# Altium PCB Discharge_B2.PcbDoc (part 1 of 2)
Units mm, origin at the board's own origin, x right, y up, seen from the top; angles counter-clockwise.
Board outline 144.02 x 78.36 mm, 4 copper layers (Top Layer, GND, PWR, Bottom Layer), stack 1.369 mm thick; 146 components, 95 nets, 476 pads, 394 vias.
Unrouted connection lines stored in the file: 8.
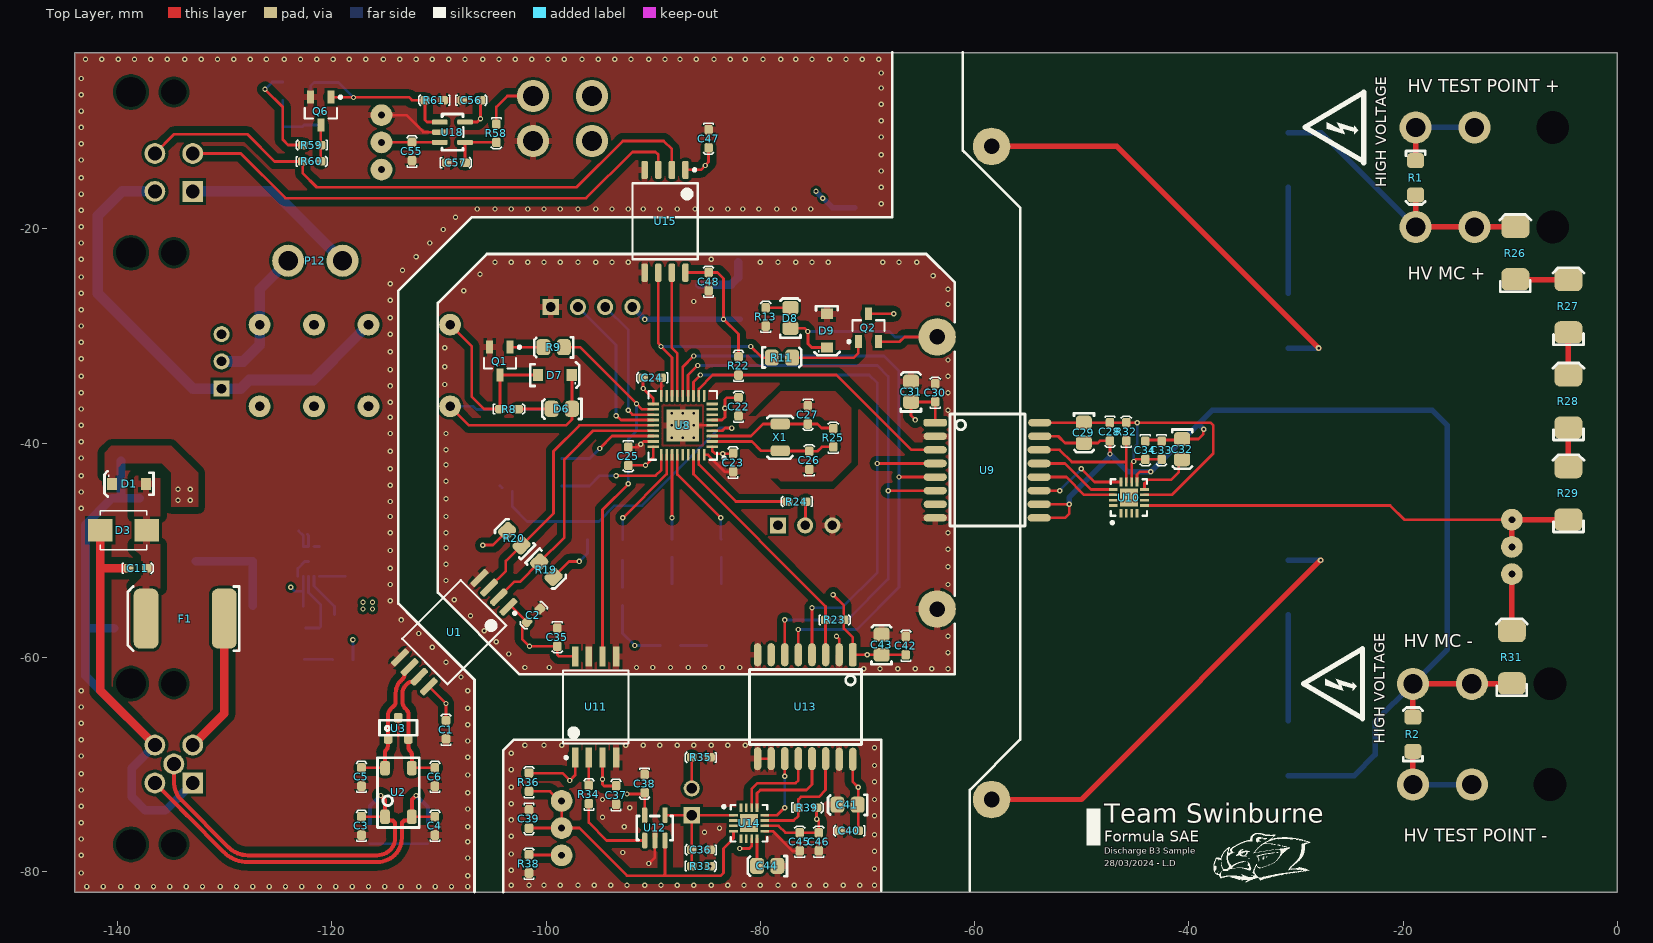
[diagram p0: Top Layer view]
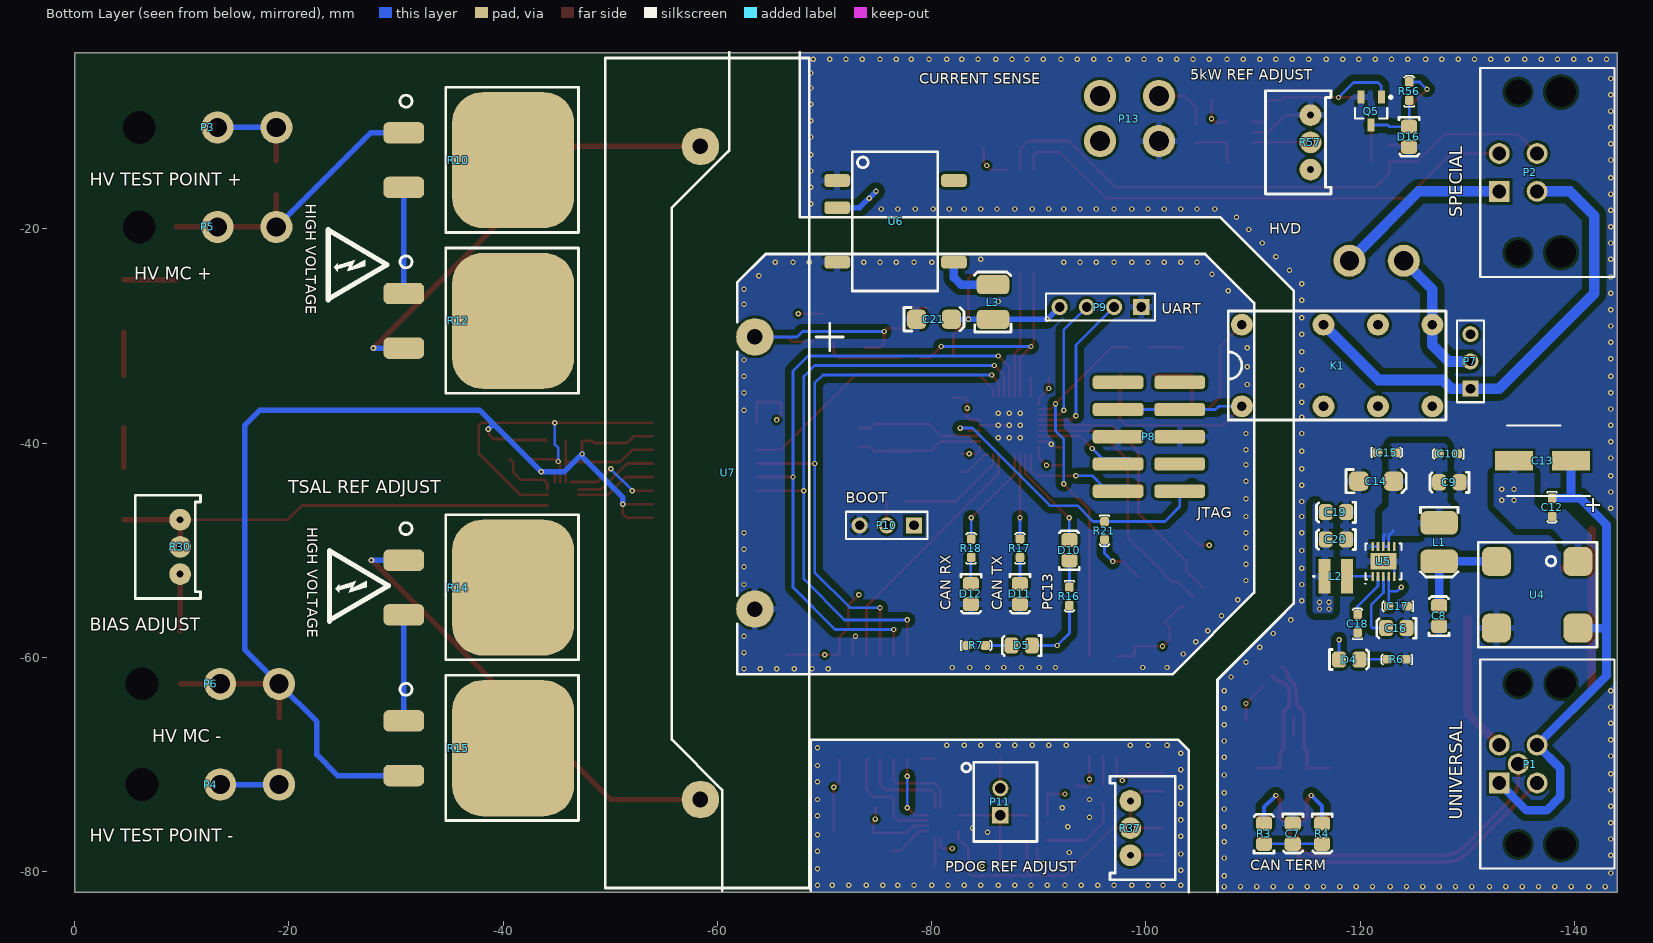
[diagram p1: Bottom Layer view, seen from below]
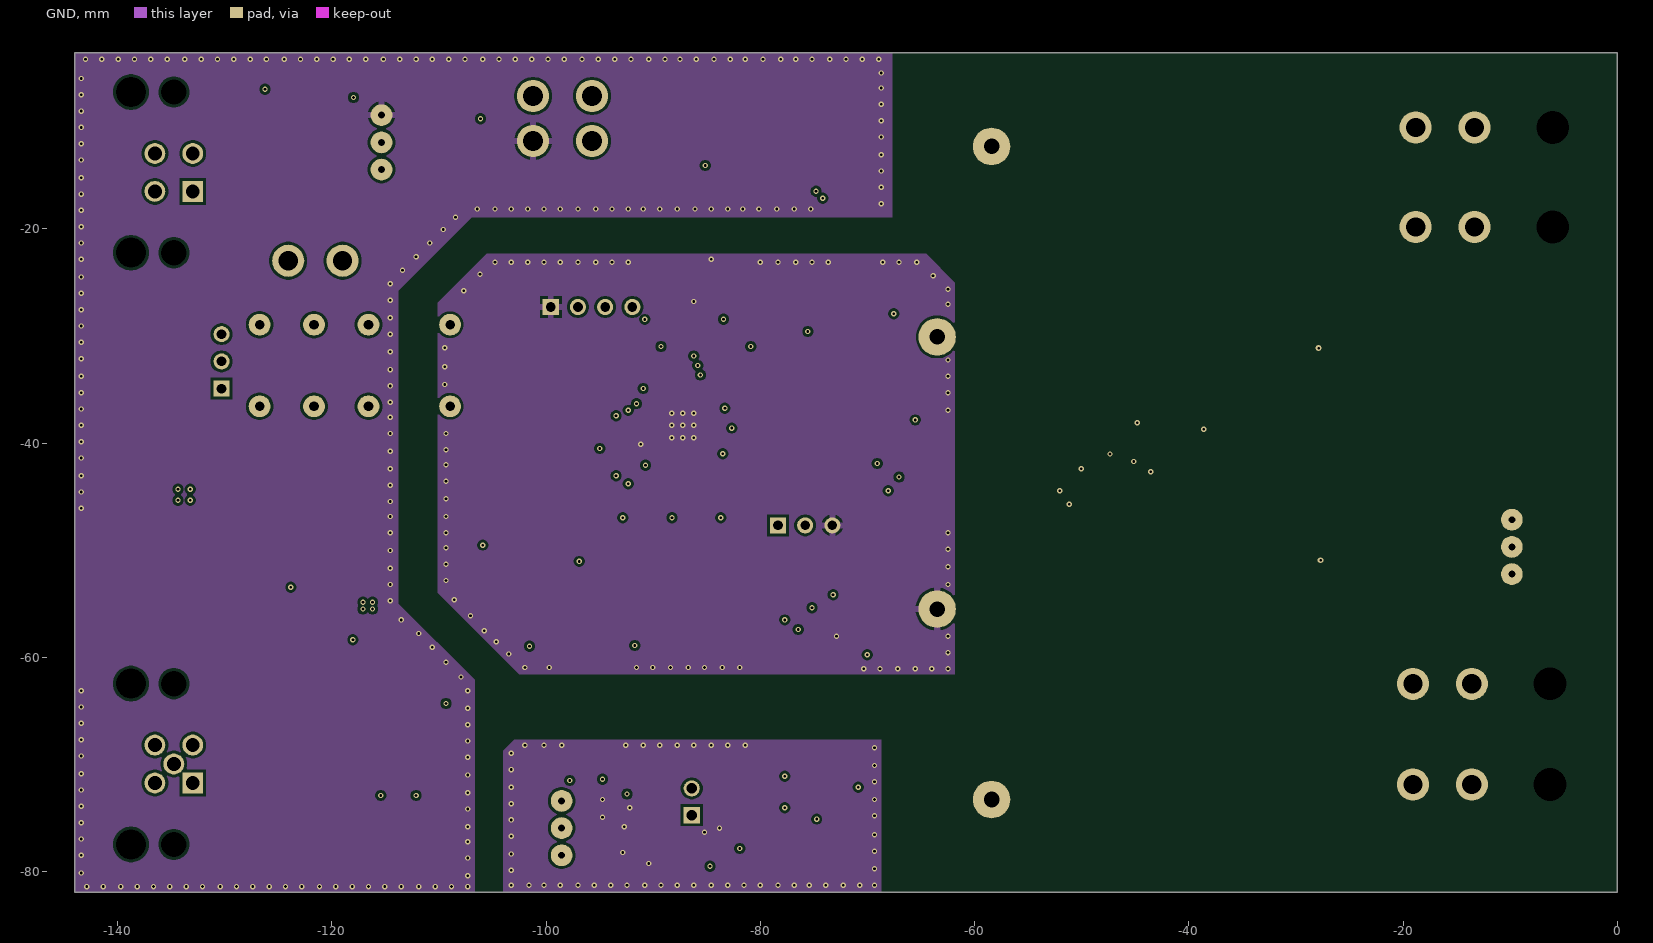
[diagram p2: GND]
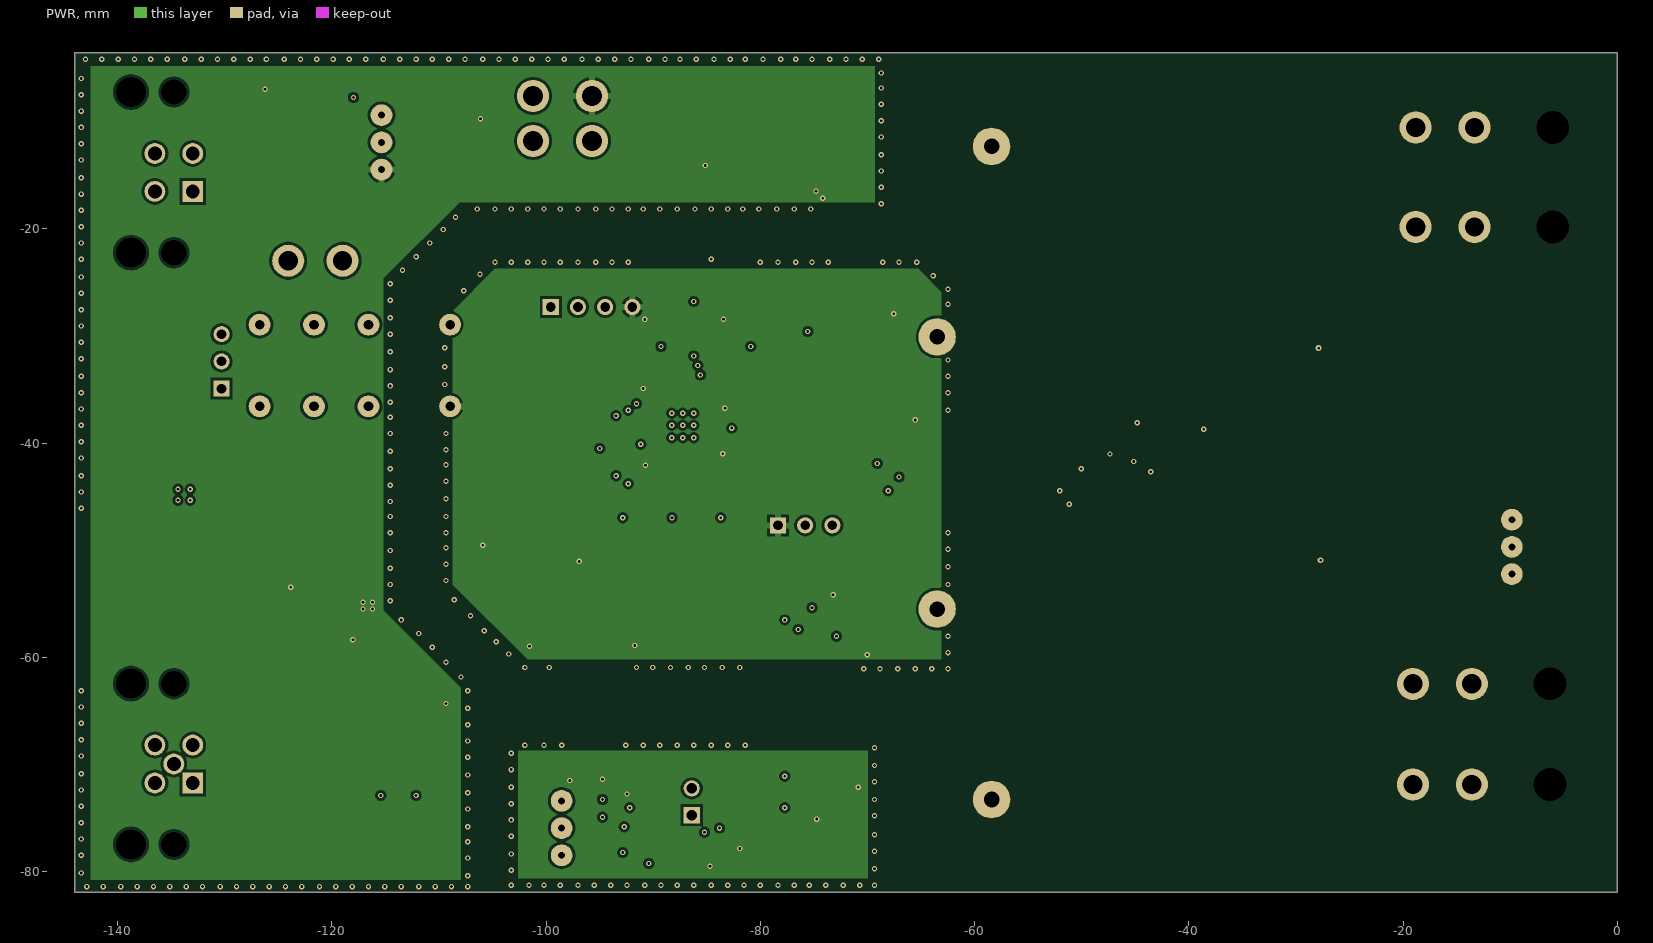
[diagram p3: PWR]
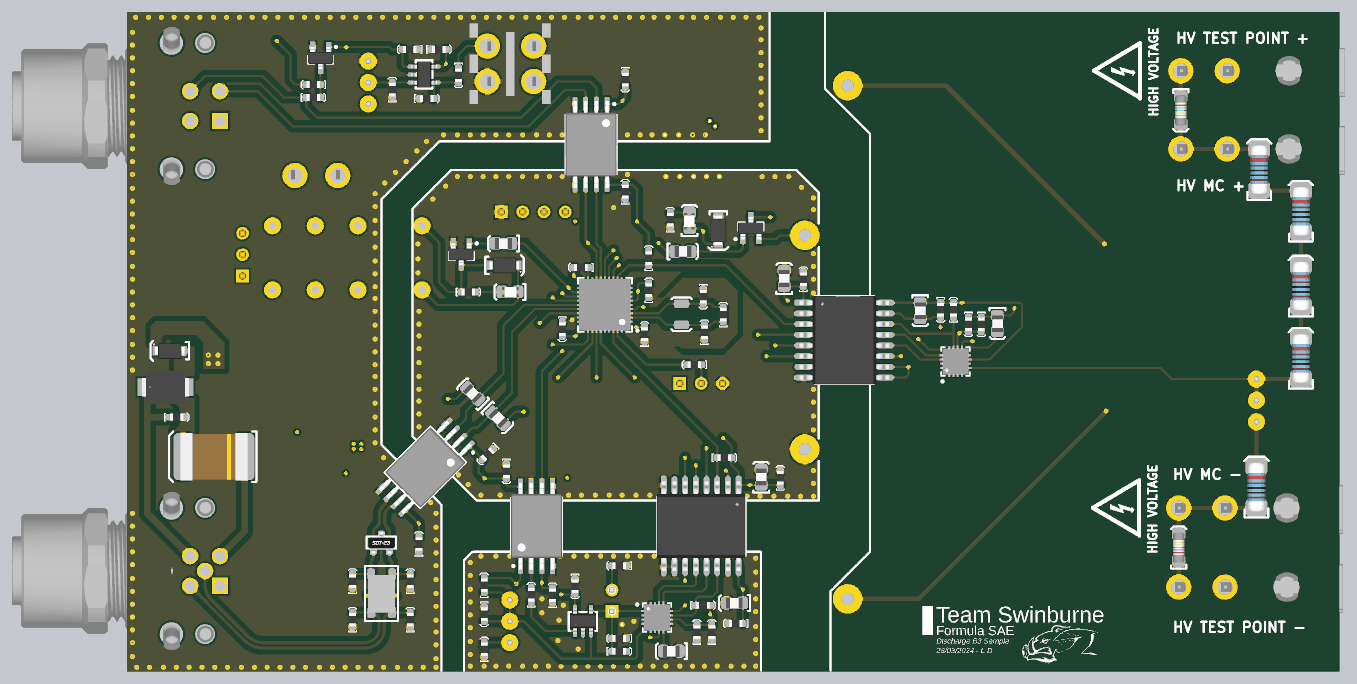
[diagram p5: 3D render of the assembled board from above, using the file's embedded part models]
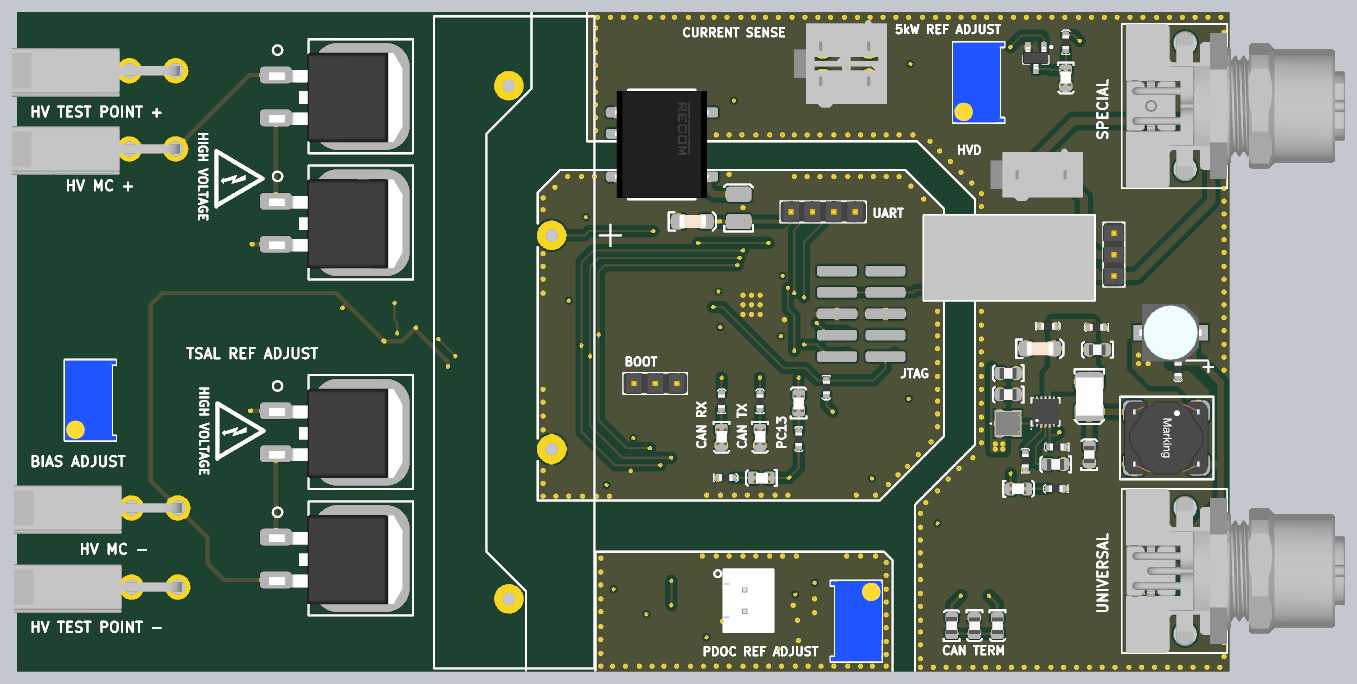
[diagram p6: 3D render of the assembled board from below, using the file's embedded part models]

## Layer stack, top to bottom
Top Solder: solder mask 0.0254, SM-001, Dk 4
Top Layer: signal copper 0.035
Dielectric 1: prepreg 0.1295, PP-017, Dk 4.3
Dielectric 2: prepreg 0.1295, PP-017, Dk 4.3
GND: signal copper 0.035
Dielectric 3: core 0.7112, Core-039, Dk 4.8
PWR: signal copper 0.035
Dielectric 4: prepreg 0.1295, PP-017, Dk 4.3
Dielectric 5: prepreg 0.1295, PP-017, Dk 4.3
Bottom Layer: signal copper 0.035
Bottom Solder: solder mask 0.0254, SM-001, Dk 4

## Board outline
-144.018,-81.915 -144.018,-3.556 -110.109,-3.556 0,-3.556 0,-5.461 0,-68.199 0,-81.915

## Design rules (kind name [scope] priority, off if disabled: settings)
Clearance [All] p1: gap=0.254 ignorepadtopadclearanceinfootprint=FALSE except(0: Arc-Hole Track-Hole SMDPad-Hole THPad-Hole Via-Hole Region-Hole Text-Hole; 0.1: THPad-THPad; 0.152: Arc-SMDPad Track-SMDPad SMDPad-SMDPad; 0.2: Arc-THPad Track-THPad SMDPad-THPad THPad-Via; 0.203: Arc-Arc Arc-Track Arc-Region Track-Track Track-Region SMDPad-Region THPad-Region Via-Region Fill-Region Poly-Region Region-Region; 0.6: Arc-Poly Track-Poly Fill-Poly Poly-Poly)
DiffPairsRouting [All] p1: maxlimit=0.254 minlimit=0.254 mostfreqgap=0.254 toplayer_minwidth=0.381 toplayer_maxwidth=0.381 toplayer_prefwidth=0.381 midlayer1_minwidth=0.381 midlayer1_maxwidth=0.381 midlayer1_prefwidth=0.381 midlayer2_minwidth=0.381 midlayer2_maxwidth=0.381 midlayer2_prefwidth=0.381 bottomlayer_minwidth=0.381 bottomlayer_maxwidth=0.381 bottomlayer_prefwidth=0.381 maxuncoupledlength=12.7
Height [All] p1: minheight=0 maxheight=50 prefheight=12.7
HoleSize [All] p1: absolutevalues=TRUE maxlimit=10 minlimit=0.025 maxpercent=80.000 minpercent=20.000
MinimumSolderMaskSliver [All] p1: minsoldermaskwidth=0
PlaneClearance [All] p1: clearance=0.4
PlaneConnect [All] p1: pad.planeconnectstyle=Relief pad.reliefexpansion=0.508 pad.reliefentries=4 pad.reliefconductorwidth=0.8 pad.reliefairgap=0.254 via.planeconnectstyle=Direct via.reliefexpansion=0.508 via.reliefentries=4 via.reliefconductorwidth=0.8 via.reliefairgap=0.254
PolygonConnect [All] p1: thpad.connectstyle=Relief thpad.reliefconductorwidth=0.6 thpad.reliefentries=4 thpad.polygonreliefangle="90 Angle" thpad.airgapwidth=0.254 smdpad.connectstyle=Relief smdpad.reliefconductorwidth=0.6 smdpad.reliefentries=4 smdpad.polygonreliefangle="90 Angle" smdpad.airgapwidth=0.254 via.connectstyle=Direct via.reliefconductorwidth=0.6 via.reliefentries=4 via.polygonreliefangle="90 Angle" via.airgapwidth=0.254
RoutingVias [All] p1: holewidth=0.25 width=0.5 viastyle="Through Hole" minholewidth=0.203 minwidth=0.254 maxholewidth=0.711 maxwidth=1.27
SilkToSolderMaskClearance [IsPad] p1: minsilkscreentomaskgap=0 clearancetoexposedcopper=TRUE
SolderMaskExpansion [All] p1: expansion=0.051 istentingtop=FALSE
Width [All] p1: maxlimit=3 minlimit=0.127 preferedwidth=0.5 toplayer_prefwidth=0.254 bottomlayer_prefwidth=0.254 minimp=50.000000 maximp=50.000000 favimp=50.000000
23 further rules are at their usual default settings.

## Classes and differential pairs
component class "5kW Circuit": C55 C56 C57 D16 Q5 Q6 R56 R57 R58 R59 R60 R61 U18
component class TopLevel: P1 P2 P3 P4 P5 P6 P12 P13 R1 R2
component class Isolation: C47 C48 U15
component class "Safety Loop": D6 D7 K1 P7 Q1 R8 R9
component class "Power Supply": C8 C9 C10 C11 C12 C13 C14 C15 C16 C17 C18 C19 C20 C21 D1 D3 D4 D5 F1 L1 L2 L3 R6 R7 U4 U5 U6
component class PDOC: C35 C36 C37 C38 C39 C40 C41 C42 C43 C44 C45 C46 P11 "PDOC NTC1" R33 R34 R35 R36 R37 R38 R39 U11 U12 U13 U14
component class Microcontroller: C22 C23 C24 C25 C26 C27 D10 D11 D12 P8 P9 P10 R16 R17 R18 R19 R20 R21 R22 R23 R24 R25 U8 X1
component class "HV SENSE": C28 C29 C30 C31 C32 C33 C34 R26 R27 R28 R29 R30 R31 R32 U9 U10
component class Discharge: D8 D9 Q2 R10 R11 R12 R13 R14 R15 U7
component class CAN: C1 C2 C3 C4 C5 C6 C7 R3 R4 TP1 TP2 U1 U2 U3
differential pair CAN1_F: +CAN1_F_P -CAN1_F_N
differential pair CAN1: +CAN1_P -CAN1_N

## Components (designator, comment, footprint, x,y, rotation, side; value= is the part's Value field where it differs from the comment)
C1 "100nF" 0603 -109.347,-67.613 r90 top
C2 "100nF" 0603 -100.584,-55.499 r225 top
C3 "100pF" 0603 -117.236,-76.592 r90 top
C4 "100pF" 0603 -110.378,-76.592 r90 top
C5 "100pF" 0603 -117.236,-72.02 r90 top
C6 "100pF" 0603 -110.378,-72.02 r90 top
C7 "22uF" 0805 -113.738,-76.479 r270 bottom
C8 "10uF" 0805 -127.355,-56.134 r90 bottom
C9 "10uF" 0805 -128.319,-43.688 r0 bottom
C10 "100nF" 0603 -129.081,-41.021 r0 bottom
C11 "100nF" 0603 -138.987,-51.689 r0 top
C12 "100nF" 0603 -137.922,-45.163 r270 bottom
C13 "47uF" "CHEMI-CON ELCO" -137.033,-41.656 r0 bottom
C14 "4.7uF" "1206 CAP" -122.682,-43.561 r180 bottom
C15 "100nF" 0603 -121.617,-40.894 r180 bottom
C16 "1µF" 0805 -123.366,-57.303 r0 bottom
C17 "10nF" 0603 -124.374,-55.245 r0 bottom
C18 "100nF" 0603 -119.761,-57.707 r90 bottom
C19 "10uF" 0805 -117.729,-46.482 r0 bottom
C20 "10uF" 0805 -117.729,-49.022 r0 bottom
C21 "4.7uF" "1206 CAP" -81.407,-28.448 r180 bottom
C22 "100nF" 0603 -82.042,-37.465 r90 top
C23 "100nF" 0603 -82.55,-42.672 r90 top
C24 "100nF" 0603 -89.249,-33.909 r180 top
C25 "100nF" 0603 -92.329,-40.386 r270 top
C26 "22pF" 0603 -75.438,-42.467 r90 top
C27 "22pF" 0603 -75.565,-36.521 r270 top
C28 "100nF" 0603 -47.371,-38.1 r270 top
C29 "10uF" 0805 -49.784,-39.062 r270 top
C30 "100nF" 0603 -63.678,-36.165 r90 top
C31 "10uF" 0805 -65.964,-35.203 r90 top
C32 "1µF" 0805 -40.614,-40.591 r270 top
C33 "100nF" 0603 -42.545,-39.829 r270 top
C34 "100nF" 0603 -44.069,-39.829 r270 top
C35 "100nF" 0603 -98.959,-57.277 r270 top
C36 "100nF" 0603 -84.709,-77.978 r180 top
C37 "100nF" 0603 -93.472,-73.709 r90 top
C38 "100nF" 0603 -90.805,-70.944 r270 top
C39 "100nF" 0603 -101.6,-74.246 r270 top
C40 "100nF" 0603 -70.866,-76.2 r180 top
C41 "10uF" 0805 -71.882,-73.787 r180 top
C42 "100nF" 0603 -66.421,-59.766 r90 top
C43 "10uF" 0805 -68.707,-58.804 r90 top
C44 "1µF" 0805 -79.375,-79.502 r180 top
C45 "100nF" 0603 -76.327,-78.076 r90 top
C46 "100nF" 0603 -74.549,-78.076 r90 top
C47 "100nF" 0603 -84.836,-10.746 r270 top
C48 "100nF" 0603 -84.836,-25.781 r90 top
C55 "100nF" 0603 -112.522,-13.638 r90 top
C56 "100nF" 0603 -107.823,-8.001 r0 top
C57 "10nF" 0603 -109.269,-13.843 r0 top
D1 "PMEG100T10ELR-QX" SODFL350X110-2N -138.938,-43.815 r0 top
D3 "SM6T39CAY" SM6T39CAY-Footprint-1 -139.452,-48.133 r0 top
D4 "Red" "0805 LED" -118.999,-60.198 r180 bottom
D5 "Red" "0805 LED" -88.392,-58.928 r0 bottom
D6 "Green" "0805 LED" -98.552,-36.83 r180 top
D7 "PMEG100T10ELR-QX" SODFL350X110-2N -99.187,-33.655 r180 top
D8 "Green" "0805 LED" -77.216,-28.321 r90 top
D9 "PMEG100T10ELR-QX" SODFL350X110-2N -73.787,-29.515 r90 top
D10 "Yellow" "0805 LED" -92.837,-49.99 r90 bottom
D11 "Yellow" "0805 LED" -88.26,-54.102 r270 bottom
D12 "Yellow" "0805 LED" -83.693,-54.102 r270 bottom
D16 "Green" "0805 LED" -124.587,-11.43 r270 bottom
F1 "0ZCF0100AF2A" 2920 -130.048,-56.388 r180 top
K1 "V23105A5475A201" "TI 2-DIL" -117.856,-32.766 r180 bottom
L1 "12uH" 1812 -127.381,-49.257 r270 bottom
L2 "4.7uH" SRN3015TA-4R7M -117.729,-52.451 r180 bottom
L3 "47 uH" 82473C -85.725,-25.654 r90 bottom
P1 "T4145035051-001" T4145035051-001 -132.985,-71.739 r90 bottom
P2 "T4145415041-001" T4145415041-001 -132.985,-16.51 r90 bottom
P3 "39300020" 39300020 -13.335,-10.541 r270 bottom
P4 "39300020" 39300020 -13.589,-71.882 r270 bottom
P5 "39300020" 39300020 -13.335,-19.829 r270 bottom
P6 "39300020" 39300020 -13.589,-62.484 r270 bottom
P7 "2.54mm" "TH 2.54mm Header 1x3" -130.302,-34.925 r90 bottom
P8 "2.54mm" "TH 2.54mm Header 2x5" -100.457,-39.497 r90 bottom
P9 "2.54mm" "TH 2.54mm Header 1x4" -99.568,-27.305 r0 bottom
P10 "2.54mm" "TH 2.54mm Header 1x3" -78.359,-47.689 r0 bottom
P11 "B2B-XH-A(LF)(SN)" "XH 2 PIN VERT" -86.536,-73.491 r90 bottom
P12 "39293026" 39293026 -121.539,-22.987 r90 top
P13 "39293046" 39293046 -101.219,-7.611 r90 bottom
Q1 "SQ2308CES-T1_GE3" "VSHY SOT-23-3" -104.316,-32.355 r270 top
Q2 "SQ2308CES-T1_GE3" "VSHY SOT-23-3" -69.911,-29.24 r90 top
Q5 "SQ2308CES-T1_GE3" "VSHY SOT-23-3" -121.031,-9.017 r270 bottom
Q6 "SQ2308CES-T1_GE3" "VSHY SOT-23-3" -121.031,-9.017 r270 top
R1 "MMA02040C1503FB300" "VB 0204" -18.835,-15.24 r270 top value=150K
R2 "MMA02040C1503FB300" "VB 0204" -19.089,-67.183 r90 top value=150K
R3 "56R" 0805 -111.013,-76.455 r90 bottom
R4 "56R" 0805 -116.474,-76.479 r270 bottom
R6 "2K" 0603 -124.255,-60.198 r0 bottom
R7 "1k" 0603 -83.312,-58.902 r180 bottom
R8 "1k" 0603 -104.316,-36.83 r0 top
R9 "100R" 0805 -99.314,-31.081 r180 top
R10 "PWR263S-35-1001J" "B TO-263" -40.937,-13.593 r270 bottom value=1k
R11 "100R" 0805 -77.978,-32.004 r0 top
R12 "PWR263S-35-1001J" "B TO-263" -40.937,-28.593 r270 bottom value=1k
R13 "1k" 0603 -79.502,-29.083 r90 top
R14 "PWR263S-35-1001J" "B TO-263" -40.937,-53.492 r270 bottom value=1k
R15 "PWR263S-35-1001J" "B TO-263" -40.937,-68.492 r270 bottom value=1k
R16 "500R" 0603 -92.863,-53.467 r270 bottom
R17 "500R" 0603 -88.249,-50.673 r90 bottom
R18 "500R" 0603 -83.693,-50.673 r90 bottom
R19 "5.1k" 0805 -99.949,-51.816 r315 top
R20 "5.1k" 0805 -102.997,-48.895 r135 top
R21 "10k" 0603 -96.139,-47.322 r270 bottom
R22 "1.2k" 0603 -82.042,-33.655 r90 top
R23 "1.2k" 0603 -73.914,-56.515 r0 top
R24 "10k" 0603 -75.77,-45.466 r180 top
R25 "10M" 0603 -73.196,-40.36 r90 top
R26 "330K" "VB 0207" -9.525,-22.479 r90 top
R27 "330K" "VB 0207" -4.572,-27.432 r90 top
R28 "330K" "VB 0207" -4.572,-36.322 r90 top
R29 "330K" "VB 0207" -4.572,-44.908 r90 top
R30 "10K (Var)" "B 3296" -9.296,-49.612 r90 bottom
R31 "10K" "VB 0207" -9.855,-60.198 r90 top
R32 "1.2k" 0603 -45.847,-39.8 r90 top
R33 "2K" 0603 -86.409,-79.502 r0 top
R34 "1k" 0603 -96.012,-73.66 r90 top
R35 "10k" 0603 -84.709,-69.342 r180 top
R36 "10k" 0603 -101.6,-72.517 r90 top
R37 "10K (Var)" "B 3296" -99.111,-76.032 r270 bottom
R38 "10k" 0603 -101.6,-80.137 r90 top